# Altium PCB PCB1.PcbDoc (part 1 of 2) (continued)
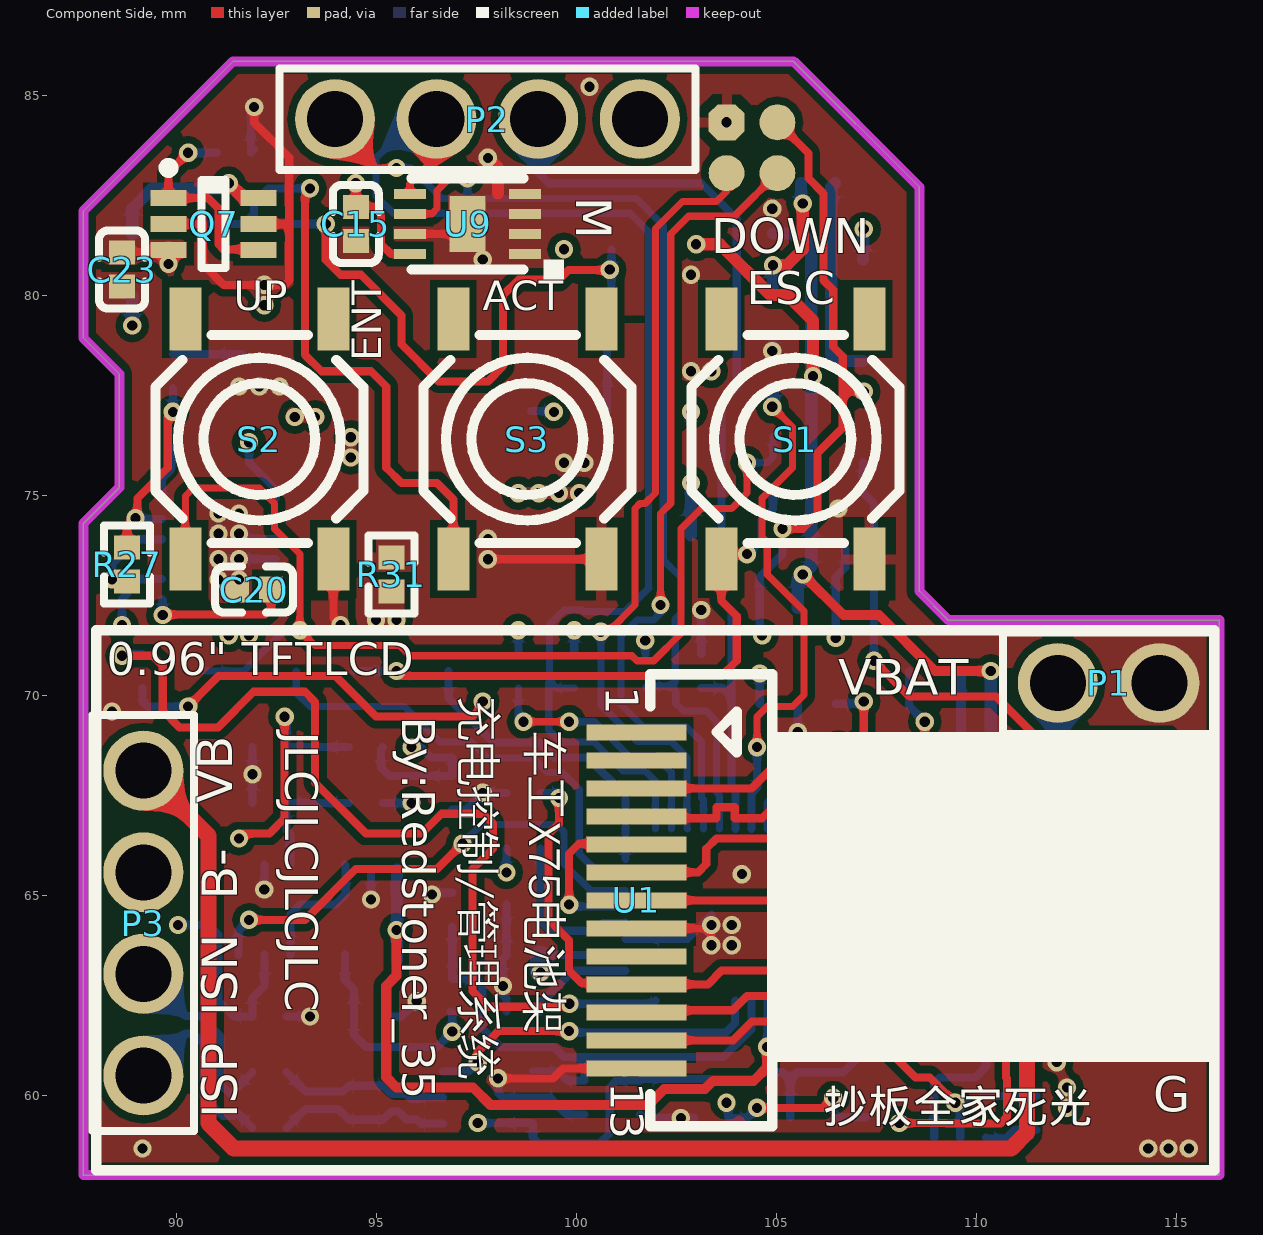
[diagram p0: Component Side view]
## Footprints (in the part's own frame and the unit in brackets; to place one, negate y for a bottom-side part, rotate by r counter-clockwise, add the part's x,y. Pads: shape width x height; smd on the part's side, far side on the other; paste and mask are expansions set on the pad)
"0.96\"IPS168*80TFT" [mm] "0.96寸焊接排线式IPS TFT LCD屏幕 分辨率168*80"
  rect 2.5x0.4 smd: 1(-14.45,-2.55) 2(-14.45,-3.25) 3(-14.45,-3.95) 4(-14.45,-4.65) 5(-14.45,-5.35) 6(-14.45,-6.05) 7(-14.45,-6.75) 8(-14.45,-7.45) 9(-14.45,-8.15) 10(-14.45,-8.85) 11(-14.45,-9.55) 12(-14.45,-10.25) 13(-14.45,-10.95)
  silkscreen extent -27.95,-13.5 0.13,0, body extent -27.94,-13.46 0,0, height 1.5
0402_C [mm]
  rect 0.6x0.65 smd mask+0.051: 1(-0.425,0) 2(0.425,0)
  silkscreen extent -0.97,-0.58 0.97,0.58, body extent -0.48,-0.3 0.52,0.3, height 0.2
0402_R [mm]
  rect 0.6x0.65 smd mask+0.051: 1(-0.425,0) 2(0.425,0)
  silkscreen extent -0.97,-0.58 0.97,0.58, body extent -0.57,-0.27 0.58,0.28, height 0.41
0420CDMCCDS-***MC [mm] "Sumida Molded inductor,0420 size"
  rect 1.7x1.95 smd: 1(-1.7,0) 2(1.7,0)
  silkscreen extent -2.4,-2.25 2.4,2.25, body extent -2.37,-2.23 2.38,2.22, height 2
0603_C [mm]
  rect 0.93x0.98 smd: 1(-0.77,0) 2(0.77,0)
  silkscreen extent -1.53,-0.79 1.54,0.79, body extent -0.8,-0.4 0.8,0.4, height 0.3
0603_R [mm]
  rect 0.93x0.98 smd: 1(-0.77,0) 2(0.77,0)
  silkscreen extent -1.53,-0.79 1.54,0.79, body extent -0.85,-0.4 0.85,0.4, height 0.56
CONN-TH_2P-P2.54_JVC-2.54MM-2P [mm] "JVC圆孔排母，2.54mm间距，2PIN"
  round 2 hole 1.4 paste+0 mask+0.05: 1(-2.54,0) 2(0,0)
  silkscreen extent -3.93,-1.27 1.37,1.27
CONN-TH_4P-P2.54_JVC-2.54MM-4P [mm] "JVC圆孔排母，4PIN"
  round 2 hole 1.4 paste+0 mask+0.05: 1(0,0) 2(2.54,0) 3(5.08,0) 4(7.62,0)
  silkscreen extent -1.39,-1.27 9.01,1.27
DR0012C [mm] "SON, 12-Leads, Body 3.00x3.00mm, Pitch 0.50mm, Thermal Pad 2.50x1.50mm, IPC Medium Density"
  rect 0.85x0.25 smd mask+0.03: 1(-1.415,1.25) 2(-1.415,0.75) 3(-1.415,0.25) 4(-1.415,-0.25) 5(-1.415,-0.75) 6(-1.415,-1.25) 7(1.415,-1.25) 8(1.415,-0.75) 9(1.415,-0.25) 10(1.415,0.25) 11(1.415,0.75) 12(1.415,1.25)
  rect 1.5x2.5 smd mask+0.03: 13(0,0)
  silkscreen extent -2,-1.7 1.55,1.75, body extent -1.55,-1.55 1.55,1.55, height 0.8
MPQ2013A-QFN8 [mm] "SON, 8-Leads, Body 3.00x3.00mm, Pitch 0.65mm, Thermal Pad 2.40x1.49mm, IPC Medium Density"
  rect 0.9x0.25 smd mask+0.03: 1(-1.395,0.975) 2(-1.395,0.325) 3(-1.395,-0.325) 4(-1.395,-0.975) 5(1.395,-0.975) 6(1.395,-0.325) 7(1.395,0.325) 8(1.395,0.975)
  rect 1.49x2.4 smd mask+0.03: 9(0,0)
  silkscreen extent -2.15,-1.7 1.7,1.75, body extent -1.55,-1.55 1.55,1.55, height 1
QFN32-HT32 [mm] "QFN, 32-Leads, Body 4.00x4.00mm, Pitch 0.40mm, Thermal Pad 2.65x2.65mm, IPC Low Density"
  oval 1x0.2 smd mask+0.03: 1(-2.15,1.4) 2(-2.15,1) 3(-2.15,0.6) 4(-2.15,0.2) 5(-2.15,-0.2) 6(-2.15,-0.6) 7(-2.15,-1) 8(-2.15,-1.4) 17(2.15,-1.4) 18(2.15,-1) 19(2.15,-0.6) 20(2.15,-0.2) 21(2.15,0.2) 22(2.15,0.6) 23(2.15,1) 24(2.15,1.4)
  oval 0.2x1 smd mask+0.03: 9(-1.4,-2.15) 10(-1,-2.15) 11(-0.6,-2.15) 12(-0.2,-2.15) 13(0.2,-2.15) 14(0.6,-2.15) 15(1,-2.15) 16(1.4,-2.15) 25(1.4,2.15) 26(1,2.15) 27(0.6,2.15) 28(0.2,2.15) 29(-0.2,2.15) 30(-0.6,2.15) 31(-1,2.15) 32(-1.4,2.15)
  rect 2.65x2.65 smd mask+0.03: 33(0,0)
  silkscreen extent -2.92,-2.15 2.15,2.15, body extent -2,-2 2,2, height 0.8
SC70-3 [mm] "3 Lead SC70(SOT-323) package for small Transistor"
  rect 0.9x0.4 smd mask+0.05: 1(-1.125,0.65) 2(-1.125,-0.65) 3(1.125,0)
  silkscreen extent -1.25,-1.1 0.3,1.52, body extent -0.67,-1.1 0.67,1.1, height 1.1
SC70-5 [mm] "SOT23, 6-Leads, Body 2.00x2.10mm, Pitch 0.65mm, IPC Medium Density"
  rect 0.9x0.4 smd mask+0.05: 1(-1.125,0.65) 2(-1.125,0) 3(-1.125,-0.65) 4(1.125,-0.65) 5(1.125,0.65)
  silkscreen extent -1.25,-1.1 0.3,1.52, body extent -0.67,-1.1 0.67,1.1, height 1.1
SC70-6 [mm] "SOT23, 6-Leads, Body 2.00x2.10mm, Pitch 0.65mm, IPC Medium Density"
  rect 0.9x0.4 smd mask+0.05: 1(-1.125,0.65) 2(-1.125,0) 3(-1.125,-0.65) 4(1.125,-0.65) 5(1.125,0) 6(1.125,0.65)
  silkscreen extent -1.25,-1.1 0.3,1.52, body extent -0.67,-1.1 0.67,1.1, height 1.1
SOD-323 [mm]
  rect 1x0.83 smd: 1(1.18,0) 2(-1.18,0)
  silkscreen extent -0.4,-0.6 0.4,0.6, body extent -1.35,-0.62 1.35,0.62, height 1.1
SOT95P245X110-6N [mm] "SOT23, 6-Leads, Body 2.90x2.45mm, Pitch 0.95mm, IPC Medium Density"
  rect 1x0.6 smd: 1(-1.2,0.95) 2(-1.2,0) 3(-1.2,-0.95) 4(1.2,-0.95) 5(1.2,0) 6(1.2,0.95)
  silkscreen extent -1.32,-1.5 0.3,1.92, body extent -0.7,-1.5 0.7,1.5, height 1.1
SOT-23(SOT-23-3) [mm]
  rect 1.25x0.7 smd: 1(1.25,-0.95) 2(1.25,0.95) 3(-1.25,0)
  silkscreen extent -0.65,-1.46 0.9,1.46, body extent -1.5,-1.5 1.5,1.5, height 1.3
SOT-23_N [mm] "SOT23, 3-Leads, Body 2.9x1.3mm, Pitch 0.95mm, Lead Span 2.5mm, IPC Medium Density"
  rect 1.15x0.6 smd: 1(-1.125,0.95) 2(-1.125,-0.95) 3(1.125,0)
  silkscreen extent -1.25,-1.5 0.7,1.93, body extent -0.7,-1.5 0.7,1.5, height 1.1
SOT-89(SOT-89-3) [mm]
  oval 1.9x0.7 smd: 1(0,-1.5) 3(0,1.5)
  oval 3.5x2 smd: 2(-2.5,0)
  oval 2.1x0.7 smd: 2(-0.1,0)
  silkscreen extent -3.1,-2.3 -0.5,2.3, body extent -3.75,-2.25 0.55,2.25, height 1.51
SW-SMD_4P-L5.2-W5.2-P3.70-LS6.4 [mm]
  rect 1.58x0.8 smd mask+0.051: 1(-3,1.85) 2(3,1.85) 3(-3,-1.85) 4(3,-1.85)
  silkscreen extent -2.6,-2.6 2.6,2.6
UDFN-8 [mm] "SON, 8-Leads, Body 2.00x3.00mm, Pitch 0.50mm, Thermal Pad 1.40x0.90mm, IPC Medium Density"
  rect 0.8x0.25 smd mask+0.05: 1(-1.44,0.75) 2(-1.44,0.25) 3(-1.44,-0.25) 4(-1.44,-0.75) 5(1.44,-0.75) 6(1.44,-0.25) 7(1.44,0.25) 8(1.44,0.75)
  rect 0.9x1.4 smd mask+0.05: 9(0,0)
  silkscreen extent -2.1,-1.14 1.4,1.14, body extent -1.5,-1 1.5,1, height 0.55

## Part data
C1 C16 C17: library part "0603 10uF (106) 10% 10V", "贴片电容"
C2 C5 C9 C21: library part "0402 1.0uF (105) 10% 25V", "贴片电容"
C3: library part "0402 4.7uF (475) 20% 10V", "贴片电容"
C4 C6 C7 C8 C11 C12 C13 C14 C15: library part "0402 100nF (104) 10% 16V", "贴片电容"
C10 C18 C19 C22 C23: library part "0402 10uF (106) 20% 6.3V", "贴片电容"
C20: library part "0402 220nF (224) 10% 16V", "贴片电容"
D1 D2 D4 D5: library part "SOD-323 1N4148WS T4", "二极管"
D3: "Dual Switching diode,common anode,SOT323-3(SC70-3)"
D6 D7: library part "SOD-323 1N4148WS T4", "SOD-323稳压二极管 6.2V稳压电压"
L4: library part "Inductor Iron", "一体成型贴片电感 4x4x2mm尺寸   4.7uH电感量"
P1: library part "CON 2", "2-Pin"
P2 P3: library part "CON 4", "4-Pin"
Q1 Q5: library part "SOT-23 SS8550 Y2", "PNP三极管，SOT-323 封装"
Q2 Q7: "Dual N-Channel MOSFET 60V340mA SOT-363"
Q3: "SOT23-6 N+P Ch. MOSFET"
Q4: library part "2N7002 7002", "MOS(场效应管)"
Q6: library part SI2301CDS-T1-GE3, "MOS(场效应管)"
R1: library part "0402 1Ω (1R00) 1%", "贴片电阻"
R2 R5 R14 R25: library part "0402 20KΩ (2002) 1%", "贴片电阻"
R3 R6 R7 R8 R9 R20 R24 R29: library part "0402 10KΩ (1002) 1%", "贴片电阻"
R4 R19: library part "0402 15KΩ (1502) 1%", "贴片电阻"
R10 R11: library part "0402 2KΩ (2001) 1%", "贴片精密电阻，1.5K 0.1% 25PPM"
R12 R13: library part "0402 10Ω (10R0) 1%", "贴片电阻"
R15 R18: library part "0402 10KΩ (1002) 1%", "贴片精密电阻，10K 0.1% 25PPM"
R16: library part "0402 10KΩ (1002) 1%", "贴片热敏电阻 15K@25℃ 1% B值3450"
R17: library part "0402 100KΩ (1003) 1%", "贴片精密电阻，100K 0.1% 25PPM"
R21 R23: library part "0402 3.3KΩ (3301) 1%", "贴片电阻"
R22: library part "0402 100KΩ (1003) 1%", "贴片电阻"
R26: library part "0402 100Ω (1000) 1%", "贴片电阻"
R27: library part "0402 51KΩ (5102) 1%", "贴片电阻"
R28: library part "0402 18KΩ (1802) 1%", "贴片电阻"
R30: library part "0603 100Ω (1000) 1%", "贴片电阻"
R31: library part "0402 0Ω (0R0) 1%", "贴片电阻"
R32: library part "0402 2KΩ (2001) 1%", "贴片电阻"
S1 S2 S3: library part SW-PB, "Switch"
U1: "中景园电子0.96寸TFT LCD,160*80分辨率，IPS材质，ST7735控制器，SPI接口"
U2: library part MPQ2013AGQ-xx-AEC1, "具有使能引脚的40V耐压MPS LDO,   3.3V固定输出，SON-8(3x3)封装，符合AEC-Q100认证"
U3: library part HT32F52352-QFN, "Holtek MCU Cortex M0+ 48MHz 128K ROM 16K RAM"
U4: library part REF2930, "'50PPM/℃ 25mA最大输出能力 2.5V固定电压串联基准芯片，SOT23-3封装"
U5: library part INA199A2DCKR, "80KHz带宽，50倍增益 26V共模范围检流放大器，SC70封装"
U6: library part LMV321IDCKR, "CMOS超小型单路轨到轨精密运算放  大器，45uV失调电压，SC70-5"
U7: library part NC7SB3157P6X, "Low-Voltage Analog Switch SPDT,1.8-5V Power"
U8: "TI电压反相器，SON12封装"
U9: library part CAT24C512HU5, "64Kbit(8K*8)I2C接口EEPROM，UDFN-8(2x3)"
VR1: library part "SOT-89 HT7550-1", "低压差线性稳压(LDO)"

## Free pads (board coordinates)
  round 0.9 smd mask+0.03: 3(103.759,83.058) 3(105.029,83.058) 4(105.029,84.328)
  oct 0.9x0.9 smd mask+0.03: 3(103.759,84.328)

## Via types
v1: diameter 0.457, hole 0.254, Component Side to Solder Side, tented both sides, 172 vias

## Nets (pads, with @x,y where several pads share a name; then routed paths per layer and width w, separated by ;. In a path a pad name is that pad's centre, name@x,y a point inside that pad or via, vN(x,y) a via of type N, cw(c..) or ccw(c..) an arc to the next point about the centre after c; other vN are vias at no path point)
3V3: C1.2 C6.2 C7.2 C12.2 C13.1 C15.2 pad.4 Q3.1 R7.2 R9.2 R21.1 R23.1 R24.2 U1.10 U1.12 U2.8 U3.10 U4.1 U7.5 U9.8 | length 51
  Component Side w0.203: v1(94.488,82.804) C15.2@94.488,82.213 94.952,82.213 95.123,82.042 95.123,81.28 95.365,81.038 U9.8@95.842,81.038 ; v1(99.568,67.437) 99.568,66.802 99.302,66.536 99.302,64.401 99.822,63.881 99.822,63.119 100.129,62.812 101.501,62.812 U1.10@101.501,62.778 103.291,62.778 103.632,63.119 105.918,63.119 106.032,63.005 106.032,62.116 106.045,62.103 105.804,61.862 105.042,61.862 105.029,61.849 104.394,61.849 103.923,61.378 U1.12@101.501,61.378 U1.12@101.538,61.341 ; v1(104.521,59.69) 106.172,59.69 v1(106.426,59.944) ; pad.4@105.029,84.328 105.791,83.566 ; v1(105.156,74.168) 105.664,74.168 106.032,74.536 106.032,76.06 106.68,76.708 106.664,76.724 106.664,77.597 ; 105.804,83.553 105.804,82.931 106.185,82.55 106.185,80.378 106.426,80.137 106.426,78.708 106.664,78.47 106.664,77.597 ; v1(107.188,77.597) 106.664,77.597
  Solder Side w0.203: v1(90.043,64.262) 90.805,64.262 91.059,64.008 91.059,62.357 91.44,61.976 C12.2@91.904,61.976 91.904,62.44 92.202,62.738 U7.5@92.202,63.518 ; v1(98.254,65.576) R7.2@98.254,66.167 ; R24.2@98.552,71.037 v1(98.552,71.628) ; C7.2@99.104,63.5 99.104,63.51 101.222,63.51 U3.10@101.228,63.516 ; C13.1@99.104,67.564 99.568,67.564 v1(99.568,67.437) ; R23.1@99.949,71.037 v1(99.949,71.628) ; R21.1@101.727,71.037 101.727,71.439 v1(101.727,71.374) ; v1(103.759,59.817) 103.759,59.863 103.803,59.863 C6.2@103.803,59.436 104.267,59.436 v1(104.521,59.69) ; v1(104.648,71.501) 104.587,71.562 Q3.1@104.587,72.193 104.587,72.964 105.156,73.533 v1(105.156,74.168) ; v1(106.426,59.944) 106.426,59.599 106.571,59.454 U4.1@107.249,59.454 ; R9.2@107.188,65.361 107.613,65.361 v1(107.696,65.278)
  Solder Side w0.508: v1(99.104,63.075) C7.2@99.104,63.5
  other v1: 112.268,59.69 112.268,60.198 112.014,60.833
3V3SB_EN: Q2.5 R32.1 U3.30 | length 9.6
  Component Side w0.203: v1(106.426,64.008) 106.426,62.51 108.484,60.452 108.839,60.452 v1(109.474,59.817)
  Solder Side w0.203: U3.30@105.528,63.916 106.334,63.916 v1(106.426,64.008) ; Q2.5@109.601,58.946 109.601,59.69 v1(109.474,59.817) 109.982,59.817 110.153,59.988 R32.1@111.506,59.988
2366EN: Q4.1 R20.2 U3.23 | length 12.9
  Component Side w0.178: v1(104.521,68.707) 104.521,69.469 104.775,69.723 105.41,69.723 105.695,70.008 105.695,72.105 104.775,73.025 104.775,73.831 104.648,73.958 104.648,74.93 105.41,75.692 105.41,76.708 v1(104.902,77.216)
  Solder Side w0.203: U3.23@104.378,66.666 104.378,67.548 104.521,67.691 v1(104.521,68.707)
  Solder Side w0.305: v1(104.902,77.216) 104.92,77.234 Q4.1@104.92,77.709
-V: C18.2 C19.2 C23.2 L4.2 Q7.3 U8.7 | length 3.3
  Component Side w0.203: C23.2@88.646,81.07 89.198,81.07 89.266,81.138 Q7.3@89.807,81.138 ; v1@89.789,80.772 v1(89.807,80.79)
  Component Side w0.457: v1(89.807,80.79) Q7.3@89.807,81.138
  Solder Side w0.203: v1(91.821,76.327) 91.821,75.819 92.474,75.166 U8.7@92.474,74.91
  other v1: 98.552,75.057 99.06,75.057 99.568,75.057 100.076,75.057
BATT-: P3.2 R31.1
  other v1: 94.996,71.882 95.504,71.882
BCTRL: R26.1 U3.8 | length 23.7
  Component Side w0.203: v1(88.646,70.993) 89.408,70.993 89.662,70.739 89.662,69.622 90.081,69.202 91.046,69.202 91.935,70.091 93.218,70.091 93.472,69.837 93.472,67.818 94.742,66.548 96.139,66.548 96.634,67.043 97.676,67.043 97.917,66.802 97.917,66.167 97.409,65.659 97.409,62.611 97.803,62.217 99.758,62.217 v1(99.832,62.291)
  Solder Side w0.203: v1(88.646,70.993) 88.69,71.037 R26.1@89.154,71.037 ; v1(99.832,62.291) 101.903,62.291 U3.8@101.978,62.366
BGND: C16.1 C18.1 C19.1 C20.1 C21.1 C22.1 C23.1 R28.1 R31.2 S3.3 U8.9 U8.10 U8.13 VR1.1 | length 6.6
  Component Side w0.203: v1(97.79,73.406) 100.625,73.406 S3.3@100.628,73.409
  Solder Side w0.203: R28.1@89.916,78.53 91.642,78.53 C16.1@91.694,78.478 ; U8.13@91.309,73.41 U8.10@92.474,73.41 ; U8.13@91.698,73.91 U8.9@92.474,73.91
  other v1: 91.059,72.898 91.567,72.898 91.059,73.406 91.567,73.41 97.79,73.914 91.059,74.041 91.567,74.041 91.059,74.549 91.567,74.549 99.695,75.819 100.203,75.819 91.567,77.724 92.075,77.724 92.583,77.724 102.87,78.105 103.378,78.105 102.87,80.518
BLED-: R26.2 U1.11 | length 14
  Component Side w0.203: v1(90.297,69.723) 91.059,70.485 93.98,70.485 94.996,69.469 97.409,69.469 97.663,69.723 v1(97.663,69.85) ; U1.11@101.501,62.078 101.501,62.128 103.911,62.128 104.267,62.484 v1(105.41,62.484)
  Solder Side w0.203: R26.2@89.154,70.187 89.154,69.85 89.281,69.723 v1(90.297,69.723)
BOOT: R24.1 U3.18 | length 6.5
  Component Side w0.178: v1(98.679,69.342) v1(99.822,69.342)
  Solder Side w0.178: R24.1@98.552,70.187 98.552,69.469 v1(98.679,69.342) ; v1(99.822,69.342) 100.457,69.342 101.321,68.478 101.981,68.478 102.378,68.081 U3.18@102.378,66.666
CP: C17.2 U8.11
DCDCEN: P2.4 Q5.3 | length 0.8
  Solder Side w0.305: Q5.3@107.17,80.899 107.17,81.643 v1(107.188,81.661)
DOWN: D3.2 D5.2 S2.1 | length 27.1
  Component Side w0.178: S2.1@90.228,73.409 90.228,74.988 90.424,75.184 92.075,75.184 92.456,74.803 92.456,74.168 93.091,73.533 v1(93.091,71.628) 93.472,71.247 95.587,71.247 95.841,70.993 101.39,70.993 101.517,70.866 101.937,70.866 102.616,71.545 102.616,74.168 103.124,74.676 103.886,74.676 104.267,75.057 v1(104.267,75.819)
  Solder Side w0.178: D5.2@90.641,70.612 91.691,70.612 92.707,71.628 v1(93.091,71.628) ; v1(104.267,75.819) 104.775,75.819 104.92,75.964 D3.2@104.92,76.469
DSCK: pad.3@103.759,83.058 U3.19 | length 19.8
  Component Side w0.178: v1(100.615,71.589) 100.799,71.589 101.473,72.263 101.473,74.676 101.6,74.803 101.727,74.803 101.981,75.057 101.981,81.674 102.654,82.347 103.505,82.347 103.759,82.601 pad.3@103.759,83.058
  Solder Side w0.178: v1(100.615,71.589) 100.615,69.758 101.526,68.847 102.374,68.847 102.767,68.453 102.767,66.677 U3.19@102.778,66.666
DSDA: pad.3@105.029,83.058 U3.20 | length 20.4
  Component Side w0.178: v1(102.108,72.263) 102.108,74.549 102.362,74.803 102.362,81.534 102.806,81.978 103.95,81.978 pad.3@105.029,83.058
  Solder Side w0.178: v1(102.108,72.263) 102.108,72.053 101.937,71.882 101.517,71.882 101.123,71.488 101.123,69.771 101.679,69.215 102.756,69.215 103.136,68.835 103.136,67.443 103.178,67.4 U3.20@103.178,66.666
GND: C1.1 C2.1 C3.2 C4.1 C5.2 C6.1 C7.1 C8.2 C9.2 C11.1 C12.1 C13.2 C14.2 C15.1 P1.1 pad.3@103.759,84.328 Q2.1 Q2.4 Q3.5 Q4.2 R3.1 R6.1 R8.2 R11.1 R16.1 R18.1 R20.1 R22.1 R30.1 R32.2 S1.3 S2.3 U1.8 U1.13 U2.4 U2.9 U3.11 U3.32 U3.33 U4.3 U5.2 U6.2 U7.2 U9.1 U9.2 U9.3 U9.4 U9.7 U9.9 | length 43.6
  Component Side w0.203: S2.3@93.928,73.409 93.928,71.934 v1(94.107,71.755) ; U9.7@95.842,81.538 U9.9@97.032,81.538 ; v1(98.046,60.427) 99.416,60.427 99.667,60.678 U1.13@101.501,60.678 ; U1.8@101.501,64.178 103.208,64.178 103.378,64.008 v1(103.378,63.754)
  Component Side w0.305: U9.9@97.032,81.538 U9.9@97.282,81.788 ; v1(97.79,83.439) 98.044,83.185 98.044,82.55
  Solder Side w0.203: R16.1@91.904,67.31 v1(91.904,68.028) R18.1@91.904,68.707 ; v1(92.202,65.151) U7.2@92.202,65.768 ; C12.1@92.754,61.976 v1(93.345,61.976) ; v1(94.869,64.897) U6.2@94.869,65.641 ; C11.1@95.294,61.976 95.631,61.976 v1(96.012,62.357) ; v1(96.393,65.024) 96.437,65.068 R11.1@96.901,65.068 ; C14.2@96.901,67.139 96.901,67.143 97.242,67.143 v1(97.663,67.564) C13.2@98.254,67.564 ; v1@98.046,60.452 v1(98.046,60.427) 98.044,60.425 98.044,60.071 98.171,59.944 U5.2@98.915,59.944 99.328,59.944 99.753,59.519 C9.2@100.203,59.519 ; C3.2@98.254,62.103 98.254,62.427 98.158,62.522 98.158,63.404 C7.1@98.254,63.5 C4.1@98.254,64.77 ; U3.11@101.228,63.916 102.778,63.916 U3.33@103.378,64.516 ; C8.2@101.6,59.519 101.683,59.436 C6.1@102.953,59.436 ; R22.1@103.124,71.037 v1(103.124,72.136) ; v1(104.902,78.613) 104.92,78.631 Q4.2@104.92,79.009 ; R20.1@105.327,68.199 105.327,68.878 v1(105.537,69.088) Q3.5@105.537,69.793 ; v1(105.537,61.341) 105.537,61.559 105.682,61.704 U4.3@106.299,61.704 106.299,62.852 106.289,62.852 106.047,63.094 105.55,63.094 U3.32@105.528,63.116 U3.32@105.537,63.107 ; C5.2@107.188,64.052 107.779,64.052 107.823,64.008 ; R8.2@107.359,68.199 107.359,67.393 v1(107.696,67.056) ; v1@108.458,61.214 v1(108.476,61.196) Q2.1@108.951,61.196 108.966,61.211 108.966,61.722 108.541,62.147 R6.1@108.541,62.484 108.077,62.484 107.823,62.738 107.823,64.008 ; R3.1@108.585,65.322 R3.1@108.541,65.278 108.541,65.107 108.204,64.77 107.95,64.77 107.823,64.643 107.823,64.008 ; Q2.4@110.251,58.946 110.269,58.928 110.744,58.928 110.954,59.138 R32.2@111.506,59.138 ; v1(111.887,66.167) 111.931,66.211 C2.1@112.395,66.211 ; U2.4@114.386,64.006 114.386,64.856 114.427,64.897 v1(114.808,64.897)
  Solder Side w0.305: v1(88.9,79.248) R30.1@88.9,80.002
  other v1: 89.154,58.674 114.3,58.674 114.808,58.674 115.316,58.674 102.616,59.436 114.808,62.23 115.316,62.23 112.903,62.484 113.411,62.484 113.919,62.484 98.171,62.738 114.808,62.738 115.316,62.738 112.903,62.992 113.411,62.992 113.919,62.992 103.886,63.754 103.378,64.262 103.886,64.262 104.14,65.532 109.982,67.691 88.392,69.596 106.553,74.676 97.663,80.899 104.902,82.169 103.759,84.328 100.33,85.217
I2C_INT: P2.3 R22.2 U3.22 | length 23.2
  Solder Side w0.203: P2.3@99.048,84.409 99.048,83.07 99.314,82.804 103.124,82.804 104.013,81.915 104.013,77.724 103.632,77.343 103.632,72.364 103.886,72.11 103.886,69.977 ; R22.2@103.124,70.187 103.676,70.187 103.886,69.977 ; U3.22@103.978,66.666 103.978,67.66 103.885,67.753 103.885,68.645 103.901,68.661 103.901,69.596 103.886,69.611 103.886,69.977
I2C_SCL: P2.1 R21.2 U3.21 U9.6 | length 29.2
  Component Side w0.178: P2.1@93.968,84.409 93.968,84.213 94.996,83.185 v1(95.504,83.185) ; U9.6@95.842,82.038 96.389,82.038 96.521,82.17 96.521,82.618 96.834,82.931 v1(97.282,82.931)
  Solder Side w0.178: P2.1@93.968,84.409 P2.1@94.28,84.409 ; v1(95.504,83.185) 95.885,83.185 96.647,82.423 97.282,82.423 ; v1(97.282,82.931) 97.282,82.423 ; R21.2@101.727,70.187 101.771,70.231 102.362,70.231 ; U3.21@103.578,66.666 103.578,67.503 103.546,67.535 103.546,67.553 103.504,67.595 103.504,68.803 103.52,68.819 103.52,69.339 103.251,69.608 102.683,69.608 102.489,69.802 102.489,70.104 102.362,70.231 ; 97.282,82.423 101.499,82.423 102.176,81.746 102.176,73.388 102.616,72.948 102.616,72.053 102.476,71.913 102.476,70.345 102.362,70.231
I2C_SDA: P2.2 R23.2 U3.17 U9.5 | length 31.9
  Component Side w0.178: U9.5@95.842,82.538 95.842,82.805 96.222,83.185 96.266,83.185 96.508,83.427 P2.2@96.508,84.409 P2.2@96.521,84.396
  Solder Side w0.178: P2.2@96.393,84.294 P2.2@96.508,84.409 95.966,84.409 94.996,83.439 94.996,82.486 95.428,82.055 101.346,82.055 101.807,81.593 101.807,72.691 101.812,72.686 101.569,72.443 101.569,72.438 101.381,72.25 101.364,72.25 101.211,72.097 100.198,72.097 100.159,72.136 99.695,72.136 99.336,71.777 99.336,70.336 ; R23.2@99.949,70.187 99.485,70.187 99.336,70.336 ; U3.17@101.978,66.666 101.978,67.442 101.981,67.445 101.981,67.856 101.727,68.11 101.168,68.11 100.444,68.834 99.612,68.834 99.314,69.132 99.314,70.314 99.336,70.336
INTVCC: C3.1 U3.9 | length 2.7
  Solder Side w0.203: C3.1@99.104,62.103 99.104,62.344 99.149,62.344 99.454,62.649 99.92,63.116 U3.9@101.228,63.116
IOUT: U3.3 U5.6 | length 8.5
  Component Side w0.203: v1(97.536,60.833) 97.536,61.087 98.057,61.608 v1(99.823,61.608)
  Solder Side w0.203: U5.6@96.665,60.594 97.297,60.594 v1(97.536,60.833) ; v1(99.823,61.608) 99.857,61.574 103.74,61.574 103.97,61.804 103.97,62.358 U3.3@103.978,62.366
IREF: C9.1 R10.1 R11.2 U3.2 U5.1 | length 13.2
  Solder Side w0.203: R11.2@96.901,64.218 R10.1@96.901,62.909 97.492,62.909 97.65,62.751 97.65,61.669 98.105,61.214 99.441,61.214 99.695,60.96 100.203,60.96 ; U5.1@98.915,60.594 99.553,60.594 99.778,60.369 C9.1@100.203,60.369 100.203,60.96 ; U3.2@104.378,62.366 104.378,61.655 103.684,60.961 101.154,60.961 101.153,60.96 100.203,60.96
IS_FILT_N: C10.1 R13.2 U5.5 | length 4.3
  Solder Side w0.203: R13.2@92.754,60.579 93.237,60.096 94.17,60.096 94.315,60.242 C10.1@94.742,60.242 95.169,60.242 95.378,60.033 95.739,60.033 95.865,59.906 96.076,59.906 96.113,59.944 U5.5@96.665,59.944
IS_FILT_P: C10.2 R12.2 U5.4 | length 4.4
  Solder Side w0.203: R12.2@92.754,59.182 93.237,59.665 94.043,59.665 94.315,59.392 C10.2@94.742,59.392 95.169,59.392 95.378,59.601 95.56,59.601 95.758,59.403 96.004,59.403 96.113,59.294 U5.4@96.665,59.294
IS_N: P3.3 R13.1 | length 4.9
  Solder Side w0.203: P3.3@89.178,63.039 90.232,61.985 90.603,61.985 91.11,61.478 91.11,60.274 91.355,60.029 R13.1@91.904,60.579
IS_P: P3.4 R12.1 | length 5
  Solder Side w0.203: P3.4@89.178,60.499 90.232,61.553 90.424,61.553 90.678,61.299 90.678,59.968 91.154,59.492 91.428,59.492 91.511,59.575 R12.1@91.904,59.182
KEYDOWN: D5.1 U3.15 | length 11.6
  Solder Side w0.178: D5.1@93.001,70.612 93.001,70.067 93.345,69.723 95.708,69.723 96.597,68.834 97.378,68.834 97.772,68.44 98.915,68.44 99.283,68.072 99.651,68.072 100.076,67.647 100.076,66.04 100.6,65.516 U3.15@101.228,65.516
KEYUP: D4.1 U3.16 | length 7.7
  Solder Side w0.203: D4.1@96.811,70.612 96.811,69.94 97.93,68.821 99.073,68.821 99.441,68.453 100.286,68.453 101.228,67.511 U3.16@101.228,65.916
LX: C17.1 L4.1 U8.8
NetC20_2: C20.2 U8.1 | length 3.7
  Component Side w0.203: v1(89.662,72.009) 89.675,72.022 91.605,72.022 92.215,72.022 92.373,72.18 C20.2@92.373,72.644
  Solder Side w0.203: U8.1@89.644,72.41 89.662,72.392 v1(89.662,72.009)
NetC21_2: C21.2 U8.6 | length 1.4
  Solder Side w0.203: U8.6@89.644,74.91 89.644,75.42 89.872,75.648 C21.2@89.872,76.2
NetD1_2: D1.2 D2.2 R1.1 | length 5.3
  Solder Side w0.406: D1.2@110.871,67.474 111.67,67.474 111.887,67.691 D2.2@112.485,67.691 113.538,67.691 113.792,67.437 113.792,66.929 113.919,66.802 114.554,66.802 114.725,66.631 R1.1@114.725,66.04
NetD7_1: D7.1 S3.1 | length 15.6
  Component Side w0.203: v1(93.345,82.677) 93.218,82.55 93.218,78.516 93.629,78.105 94.869,78.105 95.25,77.724 95.25,75.692 95.631,75.311 96.52,75.311 96.928,74.903 S3.1@96.928,73.409
  Solder Side w0.203: D7.1@90.387,81.788 91.694,81.788 91.948,82.042 91.948,82.317 92.308,82.677 v1(93.345,82.677)
NetD7_2: D7.2 Q6.1 R25.1 | length 17.2
  Component Side w0.203: v1(93.739,81.788) 93.739,80.886 94.107,80.518 94.615,80.518 95.631,79.502 95.631,78.78 96.56,77.851 97.79,77.851 98.171,78.232 98.171,80.01 98.552,80.391 99.568,80.391 99.809,80.632 100.825,80.632 v1(100.838,80.645) v1@100.838,80.746
  Solder Side w0.203: D7.2@92.747,81.788 v1(93.739,81.788) v1@93.853,81.788 ; Q6.1@100.772,77.109 100.772,80.071 100.882,80.181 R25.1@100.882,81.153
NetQ1_1: Q1.1 R4.1 | length 7.3
  Component Side w0.203: v1(108.541,64.345) 109.093,64.897 109.093,67.945 108.712,68.326 v1(108.712,69.342)
  Solder Side w0.203: Q1.1@108.316,70.594 108.316,69.738 v1(108.712,69.342) ; R4.1@108.541,63.881 v1(108.541,64.345) v1@108.585,64.389
NetQ1_3: Q1.3 R2.1 | length 1.7
  Solder Side w0.254: R2.1@108.541,66.802 108.541,67.266 108.966,67.691 Q1.3@108.966,68.344
NetQ4_3: Q4.3 R19.1 | length 5.2
  Solder Side w0.305: R19.1@106.47,82.804 106.377,82.711 106.377,78.535 106.553,78.359 Q4.3@107.17,78.359
NetQ5_1: Q5.1 R19.2 | length 3.1
  Component Side w0.305: v1(104.92,80.754) 105.265,80.754 105.664,81.153 v1(105.664,82.296)
  Solder Side w0.305: v1@104.902,80.772 v1(104.92,80.754) Q5.1@104.92,80.249 ; R19.2@105.62,82.804 105.62,82.34 v1(105.664,82.296)
NetQ7_6: Q7.6 R30.2 | length 4.2
  Component Side w0.305: v1(91.313,82.804) 91.679,82.438 Q7.6@92.057,82.438
  Solder Side w0.305: R30.2@88.9,81.542 88.9,82.169 89.408,82.677 91.186,82.677 v1(91.313,82.804)
NetR15_1: R15.1 R16.2 U7.3 | length 3.1
  Solder Side w0.203: U7.3@92.852,65.768 92.852,66.533 92.754,66.631 R16.2@92.754,67.31 R15.1@94.317,67.31
NetR27_1: R27.1 R28.2 U8.5 | length 5.4
  Component Side w0.203: R27.1@88.773,73.704 88.773,74.22 v1(88.982,74.429) 88.982,74.34 89.027,74.295 89.027,74.93 89.789,75.692 89.789,76.962 v1(89.916,77.089)
  Solder Side w0.203: v1(88.982,74.429) 89.001,74.41 U8.5@89.644,74.41 ; v1(89.916,77.089) R28.2@89.916,77.68
NetR27_2: R27.2 U8.4 | length 1.9
  Solder Side w0.203: v1(88.392,72.898) 88.392,73.279 89.014,73.901 89.644,73.901 U8.4@89.644,73.91
NL: Q7.1 Q7.4 R29.1 | length 5.4
  Component Side w0.203: v1(90.297,83.566) 89.807,83.076 Q7.1@89.807,82.438 90.79,82.438 91.059,82.169 91.059,81.28 91.186,81.153 92.042,81.153 Q7.4@92.057,81.138
  Solder Side w0.203: v1(90.297,83.566) R29.1@91.015,83.566
PG: D6.2 Q3.3 R14.1 | length 3.1
  Solder Side w0.203: D6.2@102.87,76.364 v1(102.87,77.089) ; v1@106.426,71.374 v1(106.487,71.435) Q3.3@106.487,72.193 106.487,72.959 106.724,73.196 R14.1@106.724,73.66
RESET: C4.2 R7.1 U3.12 | length 4.1
  Solder Side w0.203: R7.1@99.104,66.167 C4.2@99.104,64.77 99.104,64.345 99.332,64.117 100.475,64.117 100.666,64.308 101.063,64.308 101.065,64.31 101.222,64.31 U3.12@101.228,64.316
RPD: D3.3 Q2.3 Q2.6 R4.2 | length 30.7
  Component Side w0.203: v1(107.442,70.866) 108.331,69.977 110.49,69.977 111.506,68.961 114.808,68.961 115.329,68.44 115.329,64.681 115.024,64.376 110.731,64.376 110.236,63.881 110.236,63.373 109.791,62.928 ; v1(109.347,63.373) 109.791,62.928 ; v1(110.236,61.849) 110.236,62.484 109.791,62.928
  Solder Side w0.203: D3.3@107.17,75.819 107.17,75.075 107.442,74.803 v1(107.442,70.866) ; Q2.6@108.951,58.946 108.951,60.31 109.093,60.452 109.982,60.452 110.251,60.721 Q2.3@110.251,61.196 110.251,61.834 v1(110.236,61.849) ; v1(109.347,63.373) 109.391,63.417 R4.2@109.391,63.881
SCREEN_RESET: R8.1 U1.6 U3.24 | length 8.9
  Component Side w0.203: U1.6@101.501,65.578 103.043,65.578 103.251,65.786 103.251,66.167 103.505,66.421 104.902,66.421 v1(105.537,67.056) v1@105.501,67.056
  Solder Side w0.203: U3.24@104.778,66.666 104.778,67.313 104.902,67.437 105.537,67.437 ; v1(105.537,67.056) 105.537,67.437 ; v1(106.553,68.707) 106.509,68.663 R8.1@106.509,68.199 106.509,67.647 106.299,67.437 105.537,67.437
SELO: U6.1 U7.4 | length 3.3
  Solder Side w0.203: U7.4@92.852,63.518 92.852,64.531 93.091,64.77 93.98,64.77 94.234,65.024 94.234,65.753 U6.1@94.219,65.768
SPI_CS: R9.1 U1.7 U3.25 | length 7.4
  Component Side w0.203: U1.7@101.501,64.878 105.264,64.878 105.537,65.151 v1(105.537,66.294)
  Solder Side w0.203: U3.25@105.528,65.916 105.528,66.285 v1(105.537,66.294) 106.299,66.294 106.382,66.211 R9.1@107.188,66.211
SPI_MOSI: U1.3 U3.27 | length 9.8
  Component Side w0.203: U1.3@101.501,67.678 104.381,67.678 104.902,68.199 106.172,68.199 106.947,67.424 106.947,65.316 106.515,64.884 v1(106.447,64.884)
  Solder Side w0.203: U3.27@105.528,65.116 106.106,65.116 106.337,64.884 v1(106.447,64.884)
SPI_RS: U1.5 U3.13 | length 4.5
  Component Side w0.203: v1(99.823,64.77) 99.823,66.041 100.076,66.294 101.485,66.294 U1.5@101.501,66.278
  Solder Side w0.203: v1(99.823,64.77) 99.869,64.724 101.22,64.724 U3.13@101.228,64.716
SPI_SCK: U1.4 U3.26 | length 8.5
  Component Side w0.203: U1.4@101.501,66.978 101.55,66.929 102.616,66.929 103.048,66.929 103.505,66.929 103.505,67.203 103.962,67.203 103.962,66.929 104.419,66.929 104.648,66.929 105.296,67.577 106.032,67.577 106.426,67.183 v1(106.426,65.532)
  Solder Side w0.203: U3.26@105.528,65.516 106.41,65.516 v1(106.426,65.532)
TVSEL: U3.14 U7.6 | length 12.5
  Component Side w0.203: v1(91.821,64.389) 93.218,64.389 94.488,65.659 96.52,65.659 v1(97.155,66.294)
  Solder Side w0.178: v1(97.155,66.294) 97.632,66.771 99.52,66.771 99.695,66.596 99.695,65.786 100.365,65.116 U3.14@101.228,65.116
  Solder Side w0.203: U7.6@91.552,63.518 91.552,64.12 v1(91.821,64.389)
TYPEC_EN: Q2.2 R5.1 R6.2 | length 3
  Solder Side w0.203: Q2.2@109.601,61.196 109.601,61.722 109.391,61.932 R6.2@109.391,62.484 109.982,62.484 110.319,62.821 R5.1@110.871,62.821
TYPEC_IN: D1.1 P3.1 R5.2 | length 37.2
  Component Side w0.406: P3.1@89.178,68.119 90.805,66.492 90.805,59.309 91.44,58.674 110.871,58.674 111.267,59.07 111.267,62.469 111.252,62.484 111.252,63.119 v1(111.633,63.5)
  Solder Side w0.406: D1.1@110.871,65.114 R5.2@110.871,63.671 111.462,63.671 v1(111.633,63.5)